# Altium PCB PCB_15122020_01BC.PcbDoc (part 6 of 9) (continued)
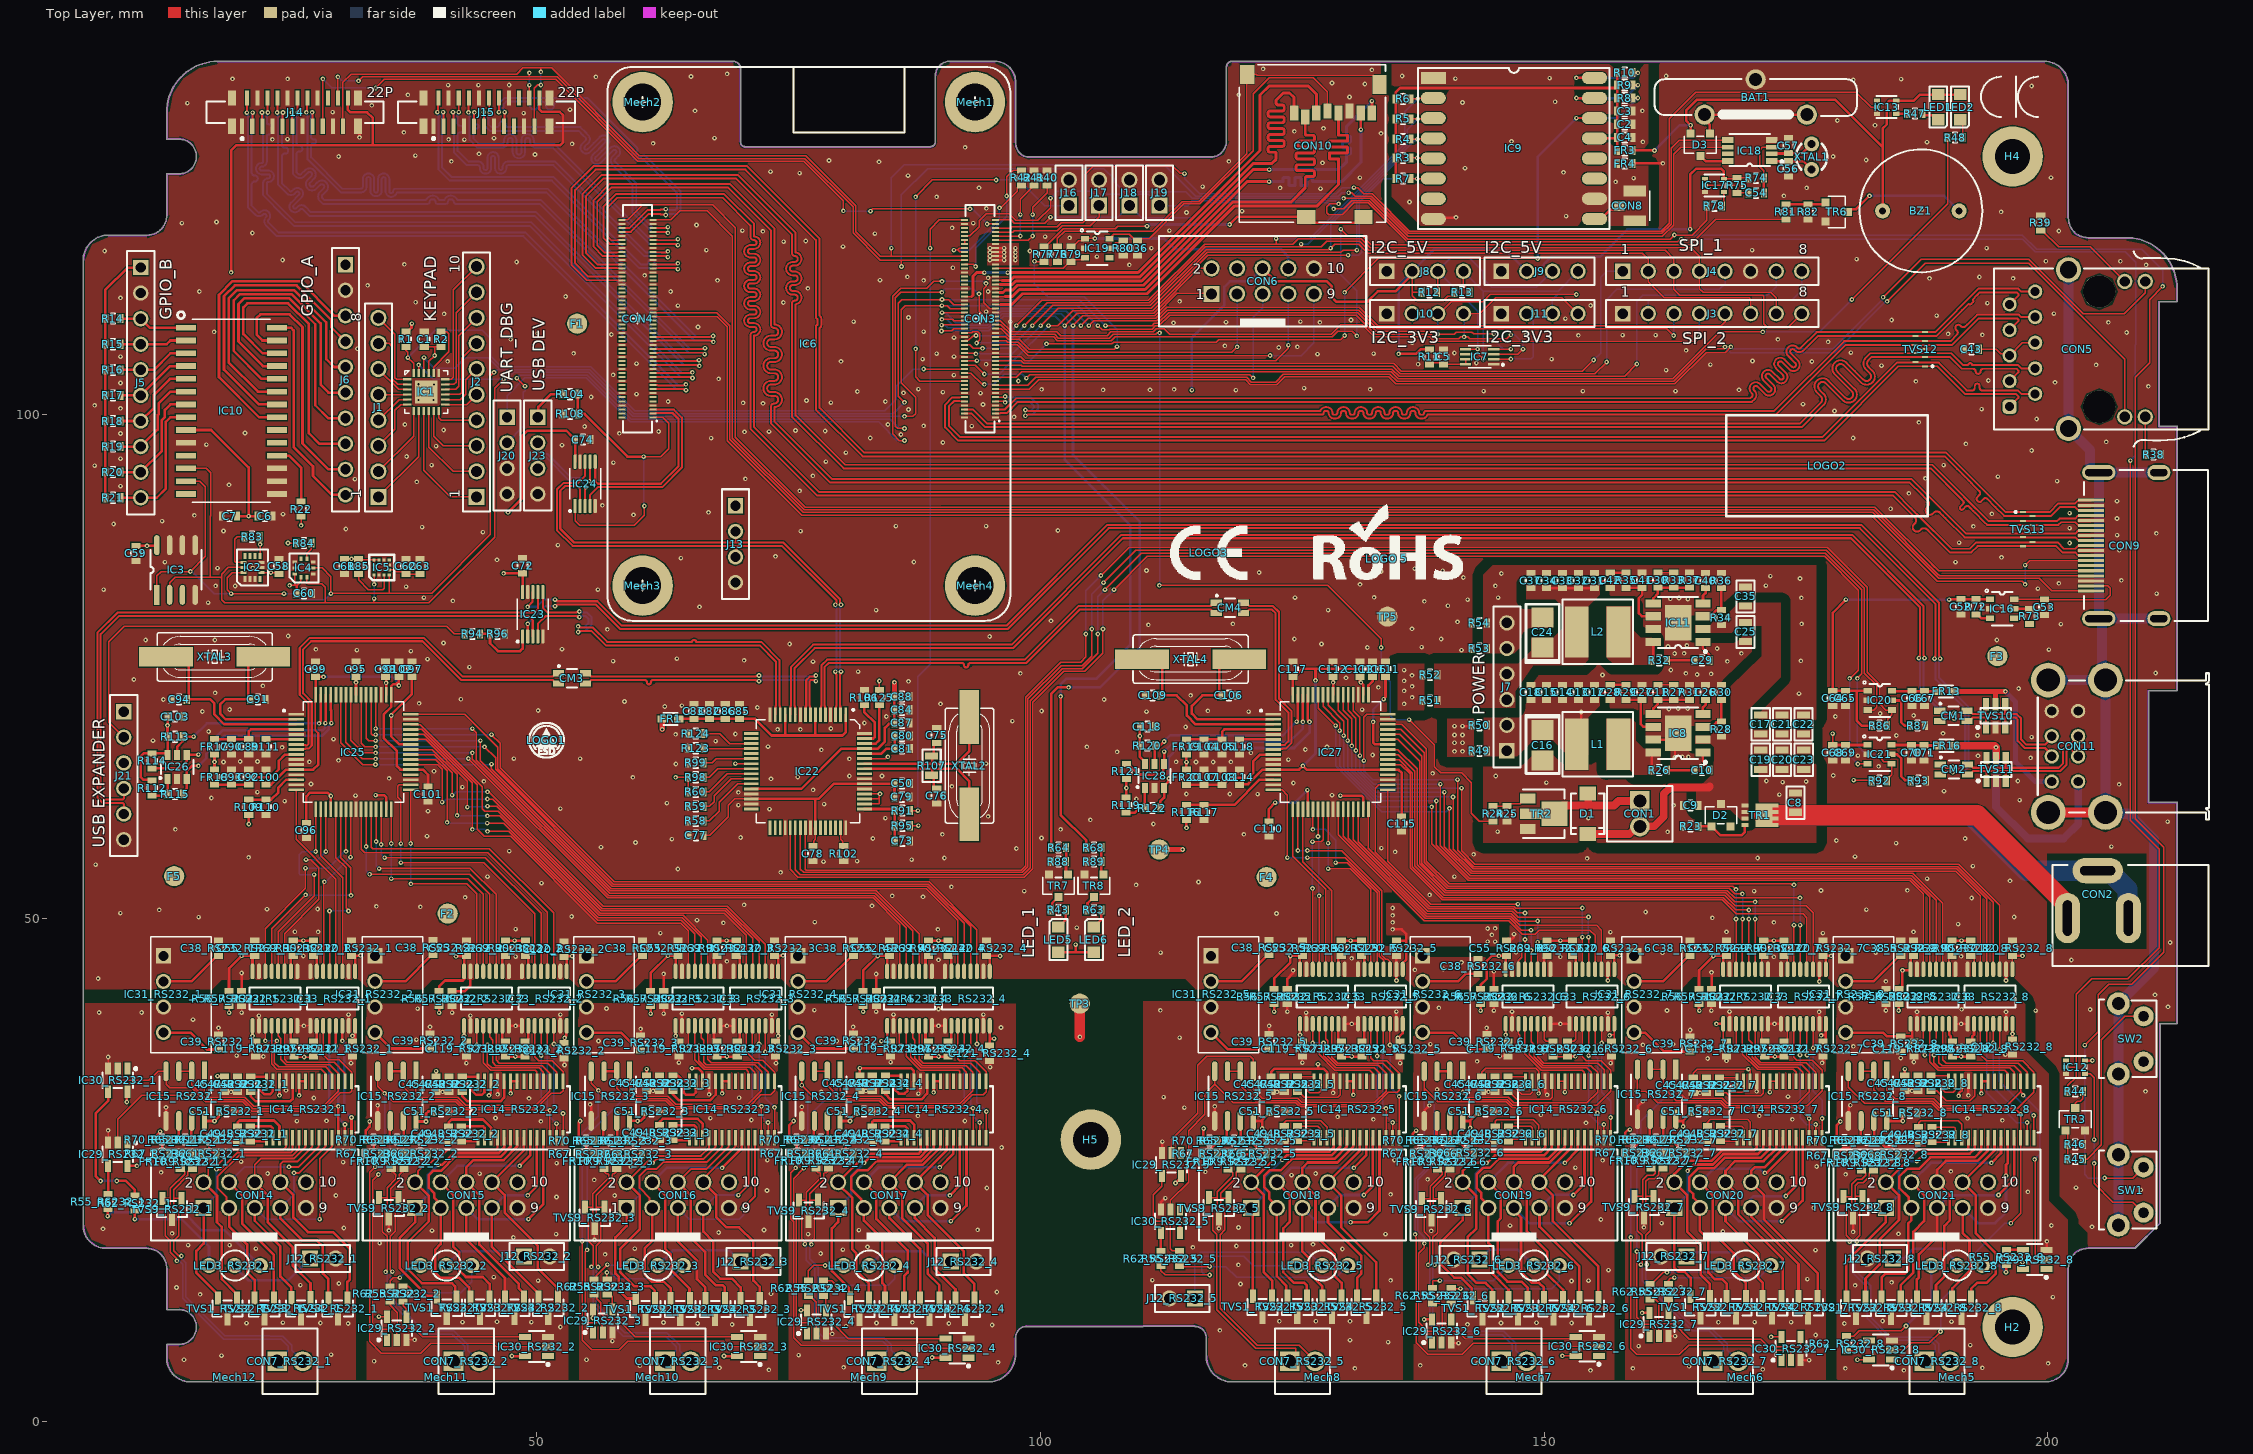
[diagram p0: Top Layer view]
## Nets (pads, with @x,y where several pads share a name; then routed paths per layer and width w, separated by ;. In a path a pad name is that pad's centre, name@x,y a point inside that pad or via, vN(x,y) a via of type N, cw(c..) or ccw(c..) an arc to the next point about the centre after c; other vN are vias at no path point) (continued)
NetIC33_RS232_2_7: IC33_RS232_2.7 R90_RS232_2.2 | length 1.6
  Top Layer w0.254: R90_RS232_2.2@48.916,46.15 48.98,46.15 49.153,45.977 IC33_RS232_2.7@49.153,44.7
NetIC33_RS232_2_10: IC33_RS232_2.10 R97_RS232_2.1 | length 1.8
  Top Layer w0.254: R97_RS232_2.1@48.83,37.75 48.98,37.75 49.153,37.923 IC33_RS232_2.10@49.153,39.3
NetIC33_RS232_3_7: IC33_RS232_3.7 R90_RS232_3.2 | length 1.8
  Top Layer w0.254: R90_RS232_3.2@69.8,46.25 69.95,46.25 70.152,46.048 IC33_RS232_3.7@70.152,44.7
NetIC33_RS232_3_10: IC33_RS232_3.10 R97_RS232_3.1 | length 1.7
  Top Layer w0.254: R97_RS232_3.1@69.9,37.75 69.979,37.75 70.152,37.923 IC33_RS232_3.10@70.152,39.3
NetIC33_RS232_4_7: IC33_RS232_4.7 R90_RS232_4.2 | length 1.8
  Top Layer w0.254: R90_RS232_4.2@90.8,46.25 90.95,46.25 91.152,46.047 IC33_RS232_4.7@91.152,44.7
NetIC33_RS232_4_10: IC33_RS232_4.10 R97_RS232_4.1 | length 1.8
  Top Layer w0.254: R97_RS232_4.1@90.8,37.75 90.95,37.75 91.152,37.952 IC33_RS232_4.10@91.152,39.3
NetIC33_RS232_5_7: IC33_RS232_5.7 R90_RS232_5.2 | length 1.6
  Top Layer w0.254: R90_RS232_5.2@131.85,46.25 131.979,46.25 132.152,46.077 IC33_RS232_5.7@132.152,44.9
NetIC33_RS232_5_10: IC33_RS232_5.10 R97_RS232_5.1 | length 1.9
  Top Layer w0.254: R97_RS232_5.1@131.9,37.75 131.979,37.75 132.152,37.923 IC33_RS232_5.10@132.152,39.5
NetIC33_RS232_6_7: IC33_RS232_6.7 R90_RS232_6.2 | length 1.6
  Top Layer w0.254: R90_RS232_6.2@152.8,46.25 152.95,46.25 153.144,46.056 153.144,44.908 IC33_RS232_6.7@153.153,44.9
NetIC33_RS232_6_10: IC33_RS232_6.10 R97_RS232_6.1 | length 2.5
  Top Layer w0.127: R97_RS232_6.1@152.3,37.75 152.916,37.75 153.153,37.987 IC33_RS232_6.10@153.153,39.5
NetIC33_RS232_7_7: IC33_RS232_7.7 R90_RS232_7.2 | length 1.6
  Top Layer w0.127: R90_RS232_7.2@173.8,46.25 173.916,46.25 174.152,46.013 IC33_RS232_7.7@174.152,44.9
NetIC33_RS232_7_10: IC33_RS232_7.10 R97_RS232_7.1 | length 2
  Top Layer w0.127: R97_RS232_7.1@173.8,37.75 173.916,37.75 174.152,37.987 IC33_RS232_7.10@174.152,39.5
NetIC33_RS232_8_7: IC33_RS232_8.7 R90_RS232_8.2 | length 1.3
  Top Layer w0.127: IC33_RS232_8.7@192.678,44.9 R90_RS232_8.2@192.678,46.25
NetIC33_RS232_8_10: IC33_RS232_8.10 R97_RS232_8.1 | length 1.9
  Top Layer w0.254: R97_RS232_8.1@192.35,37.75 192.5,37.9 192.5,38.25 192.673,38.423 192.673,39.495 IC33_RS232_8.10@192.678,39.5
NetJ12_RS232_1_1: J12_RS232_1.1 LED3_RS232_1.2 | length 9
  Bottom Layer w0.254: LED3_RS232_1.2@20,15.5 20,15.397 21.35,14.047 25.329,14.047 J12_RS232_1.1@27.482,16.2
NetJ12_RS232_2_1: J12_RS232_2.1 LED3_RS232_2.2 | length 8.5
  Bottom Layer w0.254: LED3_RS232_2.2@41,15.5 42.4,16.9 48.225,16.9 J12_RS232_2.1@48.725,16.4
NetJ12_RS232_3_1: J12_RS232_3.1 LED3_RS232_3.2 | length 9.3
  Bottom Layer w0.254: LED3_RS232_3.2@62,15.5 63.5,17 69.13,17 J12_RS232_3.1@70.23,15.9
NetJ12_RS232_4_1: J12_RS232_4.1 LED3_RS232_4.2 | length 9.1
  Bottom Layer w0.254: LED3_RS232_4.2@83,15.5 84.4,16.9 88.3,16.9 89.3,15.9 J12_RS232_4.1@91.087,15.9
NetJ12_RS232_5_1: J12_RS232_5.1 LED3_RS232_5.2 | length 17.5
  Bottom Layer w0.127: J12_RS232_5.1@115.336,12.246 115.336,16.249 115.922,16.835 126.645,16.835 127.96,15.52 LED3_RS232_5.2@128,15.52
NetJ12_RS232_6_1: J12_RS232_6.1 LED3_RS232_6.2 | length 6.5
  Bottom Layer w0.254: J12_RS232_6.1@143.57,16.1 144.53,17.06 147.42,17.06 LED3_RS232_6.2@148.98,15.5
NetJ12_RS232_7_1: J12_RS232_7.1 LED3_RS232_7.2 | length 6.6
  Bottom Layer w0.254: J12_RS232_7.1@164.123,16.4 164.523,16.8 168.68,16.8 LED3_RS232_7.2@169.98,15.5
NetJ12_RS232_8_1: J12_RS232_8.1 LED3_RS232_8.2 | length 7.6
  Bottom Layer w0.254: J12_RS232_8.1@184.622,16.2 185.7,16.2 186.679,17.179 189.621,17.179 190.98,15.82 LED3_RS232_8.2@190.98,15.5
NetJ23_1: J23.1 R104.2 | length 4
  Top Layer w0.254: J23.1@50.1,99.71 50.158,99.768 50.158,100.742 51.416,102 R104.2@52.55,102
NetLED1_2: LED1.2 R47.1 | length 1.8
  Top Layer w0.254: R47.1@187.55,129.85 187.55,129.846 187.723,129.673 188.702,129.673 LED1.2@189.125,129.25
NetLED2_2: LED2.2 R48.2 | length 1.9
  Top Layer w0.127: LED2.2@191.3,129.25 191.55,129 R48.2@191.55,127.475
NetLED3_RS232_1_1: LED3_RS232_1.1 R55_RS232_1.1 | length 18.2
  Top Layer w0.254: v1(7.4,20.4) R55_RS232_1.1@7.4,21.1
  Bottom Layer w0.254: v1(7.4,20.4) 7.453,20.4 7.853,20.8 14.906,20.8 16.706,19 19.04,19 LED3_RS232_1.1@22.54,15.5
NetLED3_RS232_1_3: LED3_RS232_1.3 R62_RS232_1.2 | length 11.2
  Top Layer w0.254: v1(10.1,20.1) R62_RS232_1.2@10.1,20.95
  Bottom Layer w0.254: v1(10.1,20.1) 14.74,20.1 17.46,17.38 LED3_RS232_1.3@17.46,15.5
NetLED3_RS232_2_1: LED3_RS232_2.1 R55_RS232_2.1 | length 9.2
  Top Layer w0.127: R55_RS232_2.1@36.709,13.434 37.262,13.434 37.871,12.825 v1(37.871,12.776)
  Bottom Layer w0.127: v1(37.871,12.776) 42.426,12.776 43.54,13.89 LED3_RS232_2.1@43.54,15.5
NetLED3_RS232_2_3: LED3_RS232_2.3 R62_RS232_2.2 | length 4.2
  Top Layer w0.127: R62_RS232_2.2@35.439,13.434 35.439,14.002 35.738,14.3 v1(36.4,14.3)
  Bottom Layer w0.127: v1(36.4,14.3) 37.42,15.32 38.28,15.32 LED3_RS232_2.3@38.46,15.5
NetLED3_RS232_3_1: LED3_RS232_3.1 R55_RS232_3.1 | length 9.2
  Top Layer w0.127: v1(56.946,14.812) 56.946,14.362 57.178,14.13 R55_RS232_3.1@57.235,14.13
  Bottom Layer w0.127: v1(56.946,14.812) 57.3,14.812 57.912,14.2 63.24,14.2 LED3_RS232_3.1@64.54,15.5
NetLED3_RS232_3_3: LED3_RS232_3.3 R62_RS232_3.2 | length 4.4
  Top Layer w0.127: R62_RS232_3.2@55.965,14.13 55.9,14.195 55.9,14.5 v1(56.993,15.593)
  Bottom Layer w0.127: v1(56.993,15.593) 57.039,15.546 59.413,15.546 LED3_RS232_3.3@59.46,15.5
NetLED3_RS232_4_1: LED3_RS232_4.1 R55_RS232_4.1 | length 8.8
  Top Layer w0.127: R55_RS232_4.1@78.463,14.001 79.274,14.001 79.725,13.55 v1(79.775,13.55)
  Bottom Layer w0.127: v1(79.775,13.55) 84.9,13.55 85.54,14.19 LED3_RS232_4.1@85.54,15.5
NetLED3_RS232_4_3: LED3_RS232_4.3 R62_RS232_4.2 | length 4.8
  Top Layer w0.127: R62_RS232_4.2@76.95,14.001 76.95,15 77.5,15.55 78.575,15.55 v1(78.625,15.5)
  Bottom Layer w0.127: v1(78.625,15.5) LED3_RS232_4.3@80.46,15.5
NetLED3_RS232_5_1: LED3_RS232_5.1 R55_RS232_5.1 | length 17.7
  Top Layer w0.127: R55_RS232_5.1@113.8,15.45 113.85,15.4 v1(116.8,15.4)
  Bottom Layer w0.127: v1(116.8,15.4) 118.4,15.4 119.462,14.338 129.358,14.338 LED3_RS232_5.1@130.52,15.5
NetLED3_RS232_5_3: LED3_RS232_5.3 R62_RS232_5.2 | length 17.6
  Top Layer w0.127: R62_RS232_5.2@111.95,15.45 111.95,15 112.385,14.565 v1(116.8,14.567) v1(116.8,14.567)
  Bottom Layer w0.127: v1(116.8,14.567) 116.3,14.567 116,14.867 116,16.1 116.3,16.4 120.2,16.4 121.1,15.5 LED3_RS232_5.3@125.44,15.5
NetLED3_RS232_6_1: LED3_RS232_6.1 R55_RS232_6.1 | length 12.6
  Top Layer w0.127: R55_RS232_6.1@140.779,13.25 140.829,13.2 v1(141.7,13.2)
  Bottom Layer w0.127: v1(141.7,13.2) 150.737,13.2 151.52,13.983 LED3_RS232_6.1@151.52,15.5
NetLED3_RS232_6_3: LED3_RS232_6.3 R62_RS232_6.2 | length 8.8
  Top Layer w0.127: R62_RS232_6.2@138.929,13.25 138.929,13.921 139.003,13.995 v1(139.65,13.995)
  Bottom Layer w0.127: v1(139.65,13.995) 144.935,13.995 LED3_RS232_6.3@146.44,15.5
NetLED3_RS232_7_1: LED3_RS232_7.1 R55_RS232_7.1 | length 11.2
  Top Layer w0.127: R55_RS232_7.1@162.35,13.65 162.3,13.7 162.3,14.01 162.528,14.238 162.858,14.238 v1(162.92,14.3)
  Bottom Layer w0.127: v1(162.92,14.3) 171.32,14.3 LED3_RS232_7.1@172.52,15.5
NetLED3_RS232_7_3: LED3_RS232_7.3 R62_RS232_7.2 | length 7.7
  Top Layer w0.127: R62_RS232_7.2@160.5,13.65 160.65,13.65 161.822,14.822 v1(162.2,14.822)
  Bottom Layer w0.127: v1(162.2,14.822) 166.762,14.822 LED3_RS232_7.3@167.44,15.5
NetLED3_RS232_8_1: LED3_RS232_8.1 R55_RS232_8.1 | length 3.3
  Top Layer w0.254: v1(195.853,14.839) 195.853,15.503 R55_RS232_8.1@195.9,15.55
  Bottom Layer w0.254: LED3_RS232_8.1@193.52,15.5 195.192,15.5 v1(195.853,14.839)
NetLED3_RS232_8_3: LED3_RS232_8.3 R62_RS232_8.2 | length 13.3
  Top Layer w0.127: R62_RS232_8.2@180.032,8.5 180.73,8.5 181.27,9.04 185.465,9.04 v1(185.925,9.5)
  Bottom Layer w0.254: v1(185.925,9.5) 188.44,12.015 LED3_RS232_8.3@188.44,15.5
NetLED5_2: LED5.2 R43.2 | length 2
  Top Layer w0.254: LED5.2@101.783,49.1 101.858,49.1 102.281,49.523 102.281,49.598 102.521,49.839 R43.2@102.521,50.8
NetLED6_2: LED6.2 R63.2 | length 2.1
  Top Layer w0.254: LED6.2@105.3,49.1 105.375,49.1 105.798,49.523 105.798,49.598 106.05,49.85 R63.2@106.05,50.8
NetR24_2: R24.2 R25.2 TR2.1 | length 3.8
  Top Layer w0.127: R24.2@144.922,61.1 R25.2@146.322,61.1 146.559,61.336 147.609,61.336 148.122,61.85 TR2.1@148.372,61.85
NetR43_1: R43.1 TR7.3 | length 1.6
  Top Layer w0.254: R43.1@101.021,50.8 101.15,50.929 101.15,51.468 TR7.3@101.783,52.1
NetR44_2: R44.2 TR3.3 | length 2.2
  Top Layer w0.127: TR3.3@202.725,31.125 202.725,31.6 202.925,31.8 203.226,31.8 203.475,32.049 R44.2@203.475,32.795
NetR45_1: R45.1 R46.1 TR3.1 | length 2.9
  Top Layer w0.127: TR3.1@201.775,28.925 201.975,28.725 R46.1@201.975,27.525 ; R45.1@201.975,26.075 R46.1@201.975,27.525
NetR45_2: R45.2 SW2.2 | length 18
  Top Layer w0.127: R45.2@203.475,26.075 203.9,26.075 205.3,27.475 205.3,37.898 207.652,40.25 SW2.2@209.5,40.25
NetR63_1: R63.1 TR8.3 | length 1.6
  Top Layer w0.254: R63.1@104.55,50.8 104.668,50.918 104.668,51.468 TR8.3@105.3,52.1
NetR64_2: R64.2 R88.2 TR7.1 | length 2.8
  Top Layer w0.254: R64.2@102.541,56.991 102.541,55.609 R88.2@102.533,55.6 102.533,54.5 TR7.1@102.733,54.3
NetR68_2: R68.2 R89.2 TR8.1 | length 2.8
  Top Layer w0.254: R68.2@106.05,57 R89.2@106.05,55.6 106.05,54.5 TR8.1@106.25,54.3
NetR81_1: R81.1 R82.1 TR6.1 | length 4
  Top Layer w0.254: R81.1@174,120.85 R82.1@176.2,120.85 177.75,120.85 TR6.1@177.95,121.05
nEXTRST: CON3.100 R91.1 | length 62.8
  Top Layer w0.127: R91.1@87.031,60.662 v1(87.831,60.662) ; v1(89.05,116.499) 89.05,118.4 89.95,119.3 CON3.100@92.46,119.3
  Bottom Layer w0.127: v1(87.831,60.662) 87.831,73.965 89.05,75.184 v1(89.05,116.499)
nRPIBOOT: CON3.93 J17.1 | length 12
  Top Layer w0.127: CON3.93@95.54,118.1 97.25,118.1 97.375,118.225 101.672,118.225 102.16,118.714 104.945,118.714 105.825,119.593 J17.1@105.825,120.73
nRTC_INT: C54.1 IC18.3 R74.1 | length 5.7
  Top Layer w0.127: R74.1@171.803,123.475 171.803,124.185 171.4,124.588 171.4,126.233 171.663,126.496 IC18.3@172.575,126.496
  Top Layer w0.254: C54.1@171.803,121.975 R74.1@171.803,123.475
OSC_N1: IC22.46
OSC_N2: IC22.44
OSC_N3: IC20.4 IC22.40 R86.1 | length 153.4
  Top Layer w0.127: IC22.40@76.662,58.958 76.662,54.862 76.767,54.757 98.104,54.757 98.531,55.184 98.531,71.931 102,75.4 103.975,75.4 104.5,75.925 v1(104.5,78.2) ; v1(106,84) 108.8,86.8 178.09,86.8 182.075,82.816 182.075,74.393 183.3,73.168 183.3,71.274 183.925,70.65 IC20.4@184.524,70.65 ; R86.1@184.05,69.101 184.1,69.151 184.1,69.742 184.523,70.165 IC20.4@184.524,70.65
  Bottom Layer w0.127: v1(104.5,78.2) 104.5,82.5 v1(106,84)
OSC_N4: IC21.4 IC22.38 R92.1 | length 159.8
  Top Layer w0.127: IC22.38@75.662,58.958 75.662,54.779 76.141,54.3 98.293,54.3 98.988,54.995 98.988,71.549 102.167,74.729 104.15,74.729 105.7,76.279 v1(105.7,78.2) ; v1(106.4,82.6) 110,86.2 177.926,86.2 181.524,82.602 181.524,74.236 v1(181.087,73.8) ; v1(183.3,66.215) 183.3,66.128 183.5,65.928 183.5,65.743 183.731,65.512 184.287,65.512 IC21.4@184.499,65.3 184.499,64.245 184.029,63.775 R92.1@184.029,63.625
  Bottom Layer w0.127: v1(105.7,78.2) 105.7,81.9 v1(106.4,82.6) ; v1(181.087,73.8) 181.087,67.128 182,66.215 v1(183.3,66.215)
OSCI: C56.1 IC18.1 XTAL1.1 | length 4.3
  Top Layer w0.254: IC18.1@172.575,125.136 172.581,125.131 174.244,125.131 C56.1@174.25,125.125 175.73,125.125 XTAL1.1@176.55,124.305
OSCI_1: C91.2 IC25.2 XTAL3.2 | length 17.1
  Top Layer w0.254: C91.2@21.55,71.7 C91.2@21.3,71.7 ; XTAL3.2@22.85,75.925 22.188,75.925 21.35,75.087 21.35,71.75 C91.2@21.3,71.7 ; IC25.2@26.12,69.73 19.12,69.73 18.56,70.29 18.56,71.19 19.07,71.7 C91.2@21.3,71.7
OSCI_2: C106.2 IC27.2 XTAL4.2 | length 17.3
  Top Layer w0.254: XTAL4.2@119.726,75.7 118.588,75.7 117.75,74.862 117.75,72.1 116.075,72.1 115.025,71.05 115.025,70.3 115.595,69.73 IC27.2@123.12,69.73
OSCO: C57.1 IC18.2 XTAL1.2 | length 4.4
  Top Layer w0.254: IC18.2@172.575,125.861 172.607,125.893 174.218,125.893 C57.1@174.25,125.925 175.63,125.925 XTAL1.2@176.55,126.845
OSCO_1: C94.2 IC25.3 XTAL3.1 | length 18.3
  Top Layer w0.254: XTAL3.1@13.198,75.925 14.612,75.925 15.45,75.087 15.45,71.75 15.4,71.7 17.6,71.7 17.957,71.343 17.957,70.243 18.97,69.23 IC25.3@26.07,69.23
OSCO_2: C109.2 IC27.3 XTAL4.1 | length 17.9
  Top Layer w0.254: XTAL4.1@110.074,75.7 111.237,75.7 112.075,74.862 112.075,72.1 113.525,72.1 114.525,71.1 114.525,70.093 115.388,69.23 IC27.3@123.12,69.23
PCIe_CLK_N: CON4.12
PCIe_CLK_nREQ: CON4.2
PCIe_CLK_P: CON4.10
PCIe_nRST: CON4.9
PCIe_RX_N: CON4.18
PCIe_RX_P: CON4.16
PCIe_TX_N: CON4.24
PCIe_TX_P: CON4.22
PI_LED_nPWR: CON3.95 IC13.2 | length 108.6
  Top Layer w0.127: CON3.95@95.54,118.5 97.025,118.5 97.15,118.625 101.68,118.625 102.055,119 104.2,119 104.4,119.2 104.4,123.8 105.2,124.6 113.2,124.6 113.884,123.916 114.285,123.916 v1(114.3,123.9) ; v1(131.1,122.5) 131.5,122.5 132.1,121.9 132.916,121.9 136.625,118.191 161.603,118.191 162.4,118.987 162.4,129.325 165.067,131.992 180.957,131.992 182.449,130.5 IC13.2@183.054,130.5
  Bottom Layer w0.127: v1(114.3,123.9) 114.3,123.4 115.8,121.9 129.38,121.9 129.98,122.5 v1(131.1,122.5)
Pi_nLED_Activity: CON3.21 R48.1 | length 108.8
  Top Layer w0.127: CON3.21@95.54,103.7 97.6,103.7 98.123,104.223 134.8,104.223 135.498,103.525 162.75,103.525 167.425,108.2 v1(171.7,108.2) ; v1(180.541,111.4) 190.05,120.909 R48.1@190.05,127.475
  Bottom Layer w0.127: v1(171.7,108.2) 177.341,108.2 v1(180.541,111.4)
POWER_+3V3: C24.1 C30.1 C31.1 C32.1 C33.1 C34.1 C37.1 J7.3 J7.4 L2.2 R33.2 R51.1 R52.1 | length 14
  Top Layer w0.127: C31.1@154.982,82.752 155.132,82.752 155.886,83.506 161.093,83.506 161.292,83.705 161.292,84.299 C30.1@161.291,84.3 R33.2@162.868,84.3
  Top Layer w0.254: C34.1@149.873,82.752 C31.1@154.982,82.752
POWER_+5V: C11.1 C12.1 C13.1 C14.1 C15.1 C16.1 C18.1 J7.1 J7.2 L1.2 R27.2 R49.1 R50.1 | length 12.1
  Top Layer w0.127: C12.1@154.982,71.65 155.132,71.65 155.852,72.37 161.075,72.37 161.278,72.573 161.278,73.137 C11.1@161.291,73.15 R27.2@162.868,73.15
  Top Layer w0.254: L1.2@153.6,67.25 153.675,67.325 v1(153.675,70.45)
POWER_+12V: C9.1 C17.2 C19.2 C20.2 C21.2 C22.2 C23.2 C25.2 C35.2 CON1.2 D1.2 D2.3 IC8.2 IC11.2 R28.2 R34.2 TR1.1 | length 15.4
  Top Layer w0.762: D1.2@154.315,58.335 158.434,58.335 159.179,59.08 CON1.2@159.5,59.08 159.52,59.1 160.913,59.1 161.867,60.055 161.867,62.318 162.5,62.95 166.325,62.95 166.425,63.05
POWER_GND: C8.2 C9.2 C12.2 C13.2 C14.2 C15.2 C16.2 C17.1 C18.2 C19.1 C20.1 C21.1 C22.1 C23.1 C24.2 C25.1 C26.2 C27.2 C28.2 C31.2 C32.2 C33.2 C34.2 C35.1 C37.2 C40.2 C41.2 C42.2 CON2.2 CON2.3 IC8.7 IC8.9 IC11.7 IC11.9 J7.5 J7.6 R23.1 R25.1 R30.2 R31.1 R36.2 R37.1 R53.1 R54.1 TR2.3 | length 46.7
  Top Layer w0.254: IC8.7@160.835,67.705 162.665,67.705 IC8.9@162.992,68.032 ; v1(162.992,65.976) IC8.9@162.992,68.032 ; IC8.9@163.3,68.34 IC8.9@162.992,68.032
  Bottom Layer w2: 171.943,60.2 192.36,60.193 197.853,54.7 CON2.3@204.95,54.7 206.065,54.7 207.904,52.86 207.904,50.096 CON2.2@208,50
  other v1: 162.254,58.561 145.382,58.578 154.379,59.913 162.852,61.184 173.353,62.255 150.219,63.438 173.679,63.484 176.018,63.56 172.062,63.601 145.195,64.106 163.724,66 164.321,66.008 162.378,70.756 163.307,70.801 164.244,70.801 175.296,72.28 155.799,74.122 165.195,74.172 166.586,74.234 164.071,74.291 162.571,74.627 168.185,75.479 175.477,75.524 162.963,76.254 163.89,76.284 169.57,76.281 167.173,76.759 162.294,76.962 164.173,77.075 175.558,79.212 164.265,81.648 162.529,81.695 163.382,81.77 175.53,81.781 145.433,81.809 145.147,82.984 172.01,82.992 175.393,83.708 172.452,83.941 145.749,84.196
PWREN_1: IC25.60
PWREN_2: IC27.60
Reserved_1: CON3.76
Reserved_2: CON4.4
Reserved_3: CON4.6
RESET: C73.1 IC22.49 R91.2 R95.1 | length 6.1
  Top Layer w0.254: IC22.49@82.526,60.821 85.373,60.821 R91.2@85.531,60.662 R95.1@85.531,59.162 C73.1@85.531,57.662
ROW_0: IC1.8 J1.1 | length 10.2
  Top Layer w0.127: J1.1@34.275,91.8 38.275,95.8 IC1.8@38.275,100.335
ROW_1: IC1.7 J1.2 | length 7.4
  Top Layer w0.127: J1.2@34.275,94.34 37.775,97.84 IC1.7@37.775,100.335
ROW_2: IC1.6 J1.3 | length 5.7
  Top Layer w0.127: J1.3@34.275,96.88 35.918,98.523 35.918,100.418 36.475,100.975 IC1.6@37.135,100.975
ROW_3: IC1.5 J1.4 | length 3.7
  Top Layer w0.127: J1.4@34.275,99.42 36.33,101.475 IC1.5@37.135,101.475
ROW_4: IC1.4 J1.5 | length 2.9
  Top Layer w0.127: J1.5@34.257,101.967 37.128,101.967 IC1.4@37.135,101.975
  Top Layer w0.254: J1.5@34.25,101.975 J1.5@34.257,101.967
ROW_5: IC1.3 J1.6 | length 3.7
  Top Layer w0.127: J1.6@34.275,104.5 36.3,102.475 IC1.3@37.135,102.475
ROW_6: IC1.2 J1.7 | length 6.4
  Top Layer w0.127: J1.7@34.275,107.04 35.333,107.04 35.622,106.751 35.622,103.544 36.192,102.975 IC1.2@37.135,102.975
ROW_7: IC1.1 J1.8 | length 7.9
  Top Layer w0.127: J1.8@34.275,109.58 35.899,107.956 35.899,103.659 36.083,103.475 IC1.1@37.135,103.475
RS232_+5V_RS232_1: C39_RS232_1.1 C45_RS232_1.1 C51_RS232_1.2 C119_RS232_1.1 C121_RS232_1.1 IC14_RS232_1.22 IC14_RS232_1.23 IC14_RS232_1.26 IC15_RS232_1.8 IC29_RS232_1.5 IC30_RS232_1.5 IC31_RS232_1.4 IC32_RS232_1.1 IC33_RS232_1.16 R56_RS232_1.2 R70_RS232_1.1 R71_RS232_1.2 R97_RS232_1.2 | length 21.8
  Top Layer w0.127: R56_RS232_1.2@19.445,41.25 19.46,41.235 v1(19.46,40.6) ; R71_RS232_1.2@25.908,36.25 25.958,36.2 v1(26.9,36.2) 27.761,36.2 R97_RS232_1.2@27.811,36.25
  Top Layer w0.254: v1(9.3,31.743) 9.3,32.7 IC30_RS232_1.5@9.35,32.75 ; IC29_RS232_1.5@9.35,25.4 v1(10.3,25.4) ; R70_RS232_1.1@12.022,28 12.022,28.15 12.562,28.691 12.562,28.762 v1(12.6,28.8) ; IC31_RS232_1.4@12.933,38.63 15.601,38.63 17.281,36.95 C39_RS232_1.1@18.4,36.95 ; IC15_RS232_1.8@17.005,29.86 17.015,29.85 v1(18.008,29.85) 18.445,30.288 18.445,30.795 C51_RS232_1.2@18.45,30.8 ; v1@18.338,34.288 18.325,34.275 18.975,34.275 C45_RS232_1.1@19,34.25 ; IC32_RS232_1.1@21.778,39.3 v1(21.778,38.3) 21.778,37.923 21.95,37.75 C119_RS232_1.1@22.1,37.75 ; v1(24.455,32.4) IC14_RS232_1.26@24.455,33.8 ; v1(26.4,32.4) 26.402,32.403 26.402,33.798 IC14_RS232_1.23@26.405,33.8 IC14_RS232_1.22@27.055,33.8 ; C121_RS232_1.1@31.7,37.75 31.789,37.75 31.962,37.923 31.962,38.3 ; v1(31.7,38.3) 31.962,38.3 ; IC33_RS232_1.16@31.962,39.3 31.962,38.3
  other v1: 18.3,34.3
RS232_+5V_RS232_2: C39_RS232_2.1 C45_RS232_2.1 C51_RS232_2.2 C119_RS232_2.1 C121_RS232_2.1 IC14_RS232_2.22 IC14_RS232_2.23 IC14_RS232_2.26 IC15_RS232_2.8 IC29_RS232_2.5 IC30_RS232_2.5 IC31_RS232_2.4 IC32_RS232_2.1 IC33_RS232_2.16 R56_RS232_2.2 R70_RS232_2.1 R71_RS232_2.2 R97_RS232_2.2 | length 22.8
  Top Layer w0.127: v1(34.315,10.421) IC29_RS232_2.5@35.143,10.421
  Top Layer w0.254: R70_RS232_2.1@33.022,28 33.022,28.925 33.4,29.303 v1(33.4,29.807) ; IC31_RS232_2.4@33.934,38.63 35.514,37.05 C39_RS232_2.1@39.4,37.05 ; IC15_RS232_2.8@38.005,29.86 38.065,29.8 v1(39,29.8) 39,30.574 39.226,30.8 C51_RS232_2.2@39.75,30.8 ; C45_RS232_2.1@40,34.25 v1(40,34.8) ; v1(40.3,40.6) R56_RS232_2.2@40.3,41.25 ; IC32_RS232_2.1@42.777,39.3 v1(42.777,38.3) 42.777,37.923 42.95,37.75 C119_RS232_2.1@43,37.75 ; v1(45.25,32.4) 45.25,32.453 45.441,32.644 45.441,33.786 IC14_RS232_2.26@45.455,33.8 ; R71_RS232_2.2@46.9,36.25 v1(47.865,36.25) R97_RS232_2.2@48.83,36.25 ; v1(47.405,32.6) IC14_RS232_2.23@47.405,33.8 IC14_RS232_2.22@48.055,33.8 ; v1(47.52,6.52) 47.525,6.515 48.825,6.515 IC30_RS232_2.5@48.83,6.51 ; C121_RS232_2.1@52.7,37.578 52.763,37.641 v1(52.763,38.1) 52.763,38.156 52.935,38.328 52.935,39.272 IC33_RS232_2.16@52.963,39.3
  Bottom Layer w0.254: v1@38.996,29.804 v1(39,29.8)
RS232_+5V_RS232_3: C39_RS232_3.1 C45_RS232_3.1 C51_RS232_3.2 C119_RS232_3.1 C121_RS232_3.1 IC14_RS232_3.22 IC14_RS232_3.23 IC14_RS232_3.26 IC15_RS232_3.8 IC29_RS232_3.5 IC30_RS232_3.5 IC31_RS232_3.4 IC32_RS232_3.1 IC33_RS232_3.16 R56_RS232_3.2 R70_RS232_3.1 R71_RS232_3.2 R97_RS232_3.2 | length 23.3
  Top Layer w0.254: R70_RS232_3.1@54.15,27.9 54.15,29.701 v1(54.3,29.85) ; IC31_RS232_3.4@54.933,38.63 58.37,38.63 60.15,36.85 C39_RS232_3.1@60.3,36.85 ; v1(55.571,10.3) 55.585,10.315 55.585,11.135 IC29_RS232_3.5@55.6,11.15 ; IC15_RS232_3.8@59.205,29.86 59.999,29.86 v1(60.009,29.85) 60.019,29.86 60.31,29.86 60.65,30.2 C51_RS232_3.2@60.65,30.8 ; C45_RS232_3.1@60.9,34.35 v1(60.9,35) ; v1(61.3,40.5) R56_RS232_3.2@61.3,41.25 ; IC32_RS232_3.1@63.778,39.3 v1(63.778,38.3) 63.778,37.923 63.95,37.75 C119_RS232_3.1@64.1,37.75 ; v1(65.4,35.1) 65.406,35.094 66.006,35.094 66.432,34.668 66.432,33.823 IC14_RS232_3.26@66.455,33.8 ; R71_RS232_3.2@67.9,36.25 v1(68.87,36.25) R97_RS232_3.2@69.9,36.25 ; v1(68.405,32.6) IC14_RS232_3.23@68.405,33.8 IC14_RS232_3.22@69.055,33.8 ; v1(68.58,6.52) 68.585,6.515 69.875,6.515 IC30_RS232_3.5@69.88,6.51 IC30_RS232_3.5@69.895,6.495 ; C121_RS232_3.1@73.7,37.75 73.789,37.75 73.962,37.923 v1(73.962,38.3) IC33_RS232_3.16@73.962,39.3
RS232_+5V_RS232_4: C39_RS232_4.1 C45_RS232_4.1 C51_RS232_4.2 C119_RS232_4.1 C121_RS232_4.1 IC14_RS232_4.22 IC14_RS232_4.23 IC14_RS232_4.26 IC15_RS232_4.8 IC29_RS232_4.5 IC30_RS232_4.5 IC31_RS232_4.4 IC32_RS232_4.1 IC33_RS232_4.16 R56_RS232_4.2 R70_RS232_4.1 R71_RS232_4.2 R97_RS232_4.2 | length 28.7
  Top Layer w0.127: v1(76.225,11.075) 76.775,11.075 IC29_RS232_4.5@76.8,11.05
  Top Layer w0.254: R70_RS232_4.1@75.05,28 75.05,29.405 v1(75.5,29.855) ; IC31_RS232_4.4@75.934,38.63 77.514,37.05 C39_RS232_4.1@81.429,37.05 ; IC15_RS232_4.8@80.105,29.86 80.115,29.85 v1(81.09,29.85) 81.128,29.888 81.128,30.028 81.75,30.65 C51_RS232_4.2@81.75,30.8 ; C45_RS232_4.1@82.066,34.35 v1(82.066,35.094) 87.154,35.094 87.432,34.816 87.432,33.823 IC14_RS232_4.26@87.455,33.8 ; v1(82.4,40.7) R56_RS232_4.2@82.4,41.25 ; v1(84.21,37.77) 84.22,37.76 C119_RS232_4.1@84.941,37.76 ; IC32_RS232_4.1@84.778,39.3 84.778,37.923 C119_RS232_4.1@84.941,37.76 ; C119_RS232_4.1@85.1,37.75 85.09,37.76 C119_RS232_4.1@84.941,37.76 ; R71_RS232_4.2@88.9,36.25 v1(89.9,36.25) R97_RS232_4.2@90.8,36.25 ; v1(89.25,6.37) 89.26,6.36 90.56,6.36 IC30_RS232_4.5@90.57,6.35 ; v1(89.4,32.7) 89.402,32.703 89.402,33.797 IC14_RS232_4.23@89.405,33.8 IC14_RS232_4.22@90.055,33.8 ; C121_RS232_4.1@94.96,37.32 94.962,37.323 94.962,38 ; IC33_RS232_4.16@94.962,39.3 94.962,38 ; v1(95.4,38.03) 95.37,38 94.962,38
  Bottom Layer w0.254: v1@81.085,29.855 v1(81.09,29.85)
RS232_+5V_RS232_5: C39_RS232_5.1 C45_RS232_5.1 C51_RS232_5.2 C119_RS232_5.1 C121_RS232_5.1 IC14_RS232_5.22 IC14_RS232_5.23 IC14_RS232_5.26 IC15_RS232_5.8 IC29_RS232_5.5 IC30_RS232_5.5 IC31_RS232_5.4 IC32_RS232_5.1 IC33_RS232_5.16 R56_RS232_5.2 R70_RS232_5.1 R71_RS232_5.2 R97_RS232_5.2 | length 29
  Top Layer w0.254: v1(113.4,23.7) 113.95,24.25 IC29_RS232_5.5@113.95,24.372 ; IC30_RS232_5.5@113.85,18.75 v1(113.85,19.7) ; R70_RS232_5.1@116.05,27.9 116.162,28.012 116.162,29.062 v1(116.2,29.1) ; IC31_RS232_5.4@116.933,38.63 118.575,36.988 C39_RS232_5.1@122.7,36.988 ; IC15_RS232_5.8@121.105,29.86 121.115,29.85 122,29.85 ; v1(122,29.1) 122,29.85 ; C51_RS232_5.2@122.71,30.8 122.71,30.65 122,29.94 122,29.85 ; C45_RS232_5.1@122.9,34.25 122.9,34.7 123.25,35.05 127.606,35.05 ; v1(123.2,40.7) R56_RS232_5.2@123.2,41.45 ; IC32_RS232_5.1@125.757,39.5 v1(125.757,38.4) 125.757,37.923 125.93,37.75 C119_RS232_5.1@125.994,37.75 ; v1(127.55,35.5) 127.588,35.462 127.588,35.069 127.606,35.05 ; IC14_RS232_5.26@128.455,33.8 128.455,34.7 128.105,35.05 127.606,35.05 ; R71_RS232_5.2@129.9,36.25 v1(130.9,36.25) R97_RS232_5.2@131.9,36.25 ; IC14_RS232_5.23@130.405,33.8 IC14_RS232_5.22@131.055,33.8 131.052,33.797 131.052,32.457 v1(131.05,32.455) ; C121_RS232_5.1@135.7,37.75 135.789,37.75 135.475,38.065 v1(135.475,38.1) 135.962,38.587 IC33_RS232_5.16@135.962,39.5
  Bottom Layer w0.254: v1@121.947,29.1 v1(122,29.1)
RS232_+5V_RS232_6: C39_RS232_6.1 C45_RS232_6.1 C51_RS232_6.2 C119_RS232_6.1 C121_RS232_6.1 IC14_RS232_6.22 IC14_RS232_6.23 IC14_RS232_6.26 IC15_RS232_6.8 IC29_RS232_6.5 IC30_RS232_6.5 IC31_RS232_6.4 IC32_RS232_6.1 IC33_RS232_6.16 R56_RS232_6.2 R70_RS232_6.1 R71_RS232_6.2 R97_RS232_6.2 | length 30.5
  Top Layer w0.127: C45_RS232_6.1@143.8,34.25 143.8,34.7 144.195,35.095 149.158,35.095 149.455,34.798 IC14_RS232_6.26@149.455,33.8 ; IC32_RS232_6.1@146.178,39.5 v1(146.178,38.4) 146.178,37.972 C119_RS232_6.1@146.4,37.75 ; R71_RS232_6.2@150.875,36.25 R97_RS232_6.2@152.3,36.25 ; IC14_RS232_6.23@151.405,33.8 IC14_RS232_6.22@152.055,33.8 ; v1(151.8,6.54) 153.13,6.54 IC30_RS232_6.5@153.14,6.53 ; v1(156.5,38.35) 156.55,38.4 156.963,38.4 ; C121_RS232_6.1@156.7,37.75 156.726,37.75 156.963,37.987 156.963,38.4 ; IC33_RS232_6.16@156.963,39.5 156.963,38.4
  Top Layer w0.254: R70_RS232_6.1@136.95,27.95 136.95,28.575 137.275,28.9 v1(137.3,28.9) ; IC31_RS232_6.4@137.934,38.63 140.97,38.63 142.612,36.988 C39_RS232_6.1@144.325,36.988 ; v1(138.095,10.15) 138.779,10.15 138.829,10.2 IC29_RS232_6.5@138.879,10.15 ; IC15_RS232_6.8@141.905,29.86 141.915,29.85 142.657,29.85 ; v1(142.657,29.167) 142.657,29.85 ; C51_RS232_6.2@143.4,30.8 143.4,30.65 142.657,29.907 142.657,29.85 ; v1(143.7,40.8) R56_RS232_6.2@143.7,41.45 ; v1(149.455,32.6) IC14_RS232_6.26@149.455,33.8 ; v1(152.055,32.708) IC14_RS232_6.22@152.055,33.8 ; R97_RS232_6.2@152.3,36.25 152.309,36.259 153.091,36.259 v1(153.1,36.268)
  Bottom Layer w0.254: v1@142.604,29.167 v1(142.657,29.167)
RS232_+5V_RS232_7: C39_RS232_7.1 C45_RS232_7.1 C51_RS232_7.2 C119_RS232_7.1 C121_RS232_7.1 IC14_RS232_7.22 IC14_RS232_7.23 IC14_RS232_7.26 IC15_RS232_7.8 IC29_RS232_7.5 IC30_RS232_7.5 IC31_RS232_7.4 IC32_RS232_7.1 IC33_RS232_7.16 R56_RS232_7.2 R70_RS232_7.1 R71_RS232_7.2 R97_RS232_7.2 | length 28.7
  Top Layer w0.127: C45_RS232_7.1@164.8,34.15 164.8,34.6 165.2,35 v1(170.271,35) 170.455,34.816 IC14_RS232_7.26@170.455,33.8 ; IC32_RS232_7.1@167.778,39.5 167.778,37.987 168.014,37.75 C119_RS232_7.1@168.1,37.75 ; IC14_RS232_7.23@172.405,33.8 IC14_RS232_7.22@173.055,33.8 ; v1(172.53,8.42) 173.55,8.42 IC30_RS232_7.5@173.56,8.41
  Top Layer w0.254: R70_RS232_7.1@158.05,28 158.05,28.7 158.35,29 v1(158.5,29) ; IC31_RS232_7.4@158.933,38.63 160.02,38.63 161.9,36.75 C39_RS232_7.1@164.5,36.75 ; v1(159.735,10.8) IC29_RS232_7.5@160.45,10.8 ; IC15_RS232_7.8@163.073,30.035 163.073,29.977 163.201,29.85 163.8,29.85 ; v1(163.8,29.3) 163.8,29.85 ; C51_RS232_7.2@164.575,30.8 164.575,30.65 163.8,29.875 163.8,29.85 ; R56_RS232_7.2@165.375,41.45 165.375,40.825 v1(165.4,40.8) ; v1(167.1,39.5) IC32_RS232_7.1@167.778,39.5 ; R71_RS232_7.2@171.9,36.25 v1(172.9,36.25) R97_RS232_7.2@173.8,36.25 ; v1(172.405,32.711) IC14_RS232_7.23@172.405,33.8 ; v1(177.5,38.35) 177.538,38.388 177.95,38.388 177.962,38.4 ; C121_RS232_7.1@177.726,37.75 177.789,37.75 177.962,37.923 177.962,38.4 ; IC33_RS232_7.16@177.962,39.5 177.962,38.4